# Allegro board meta_module_lay_rev1.brd (continued)
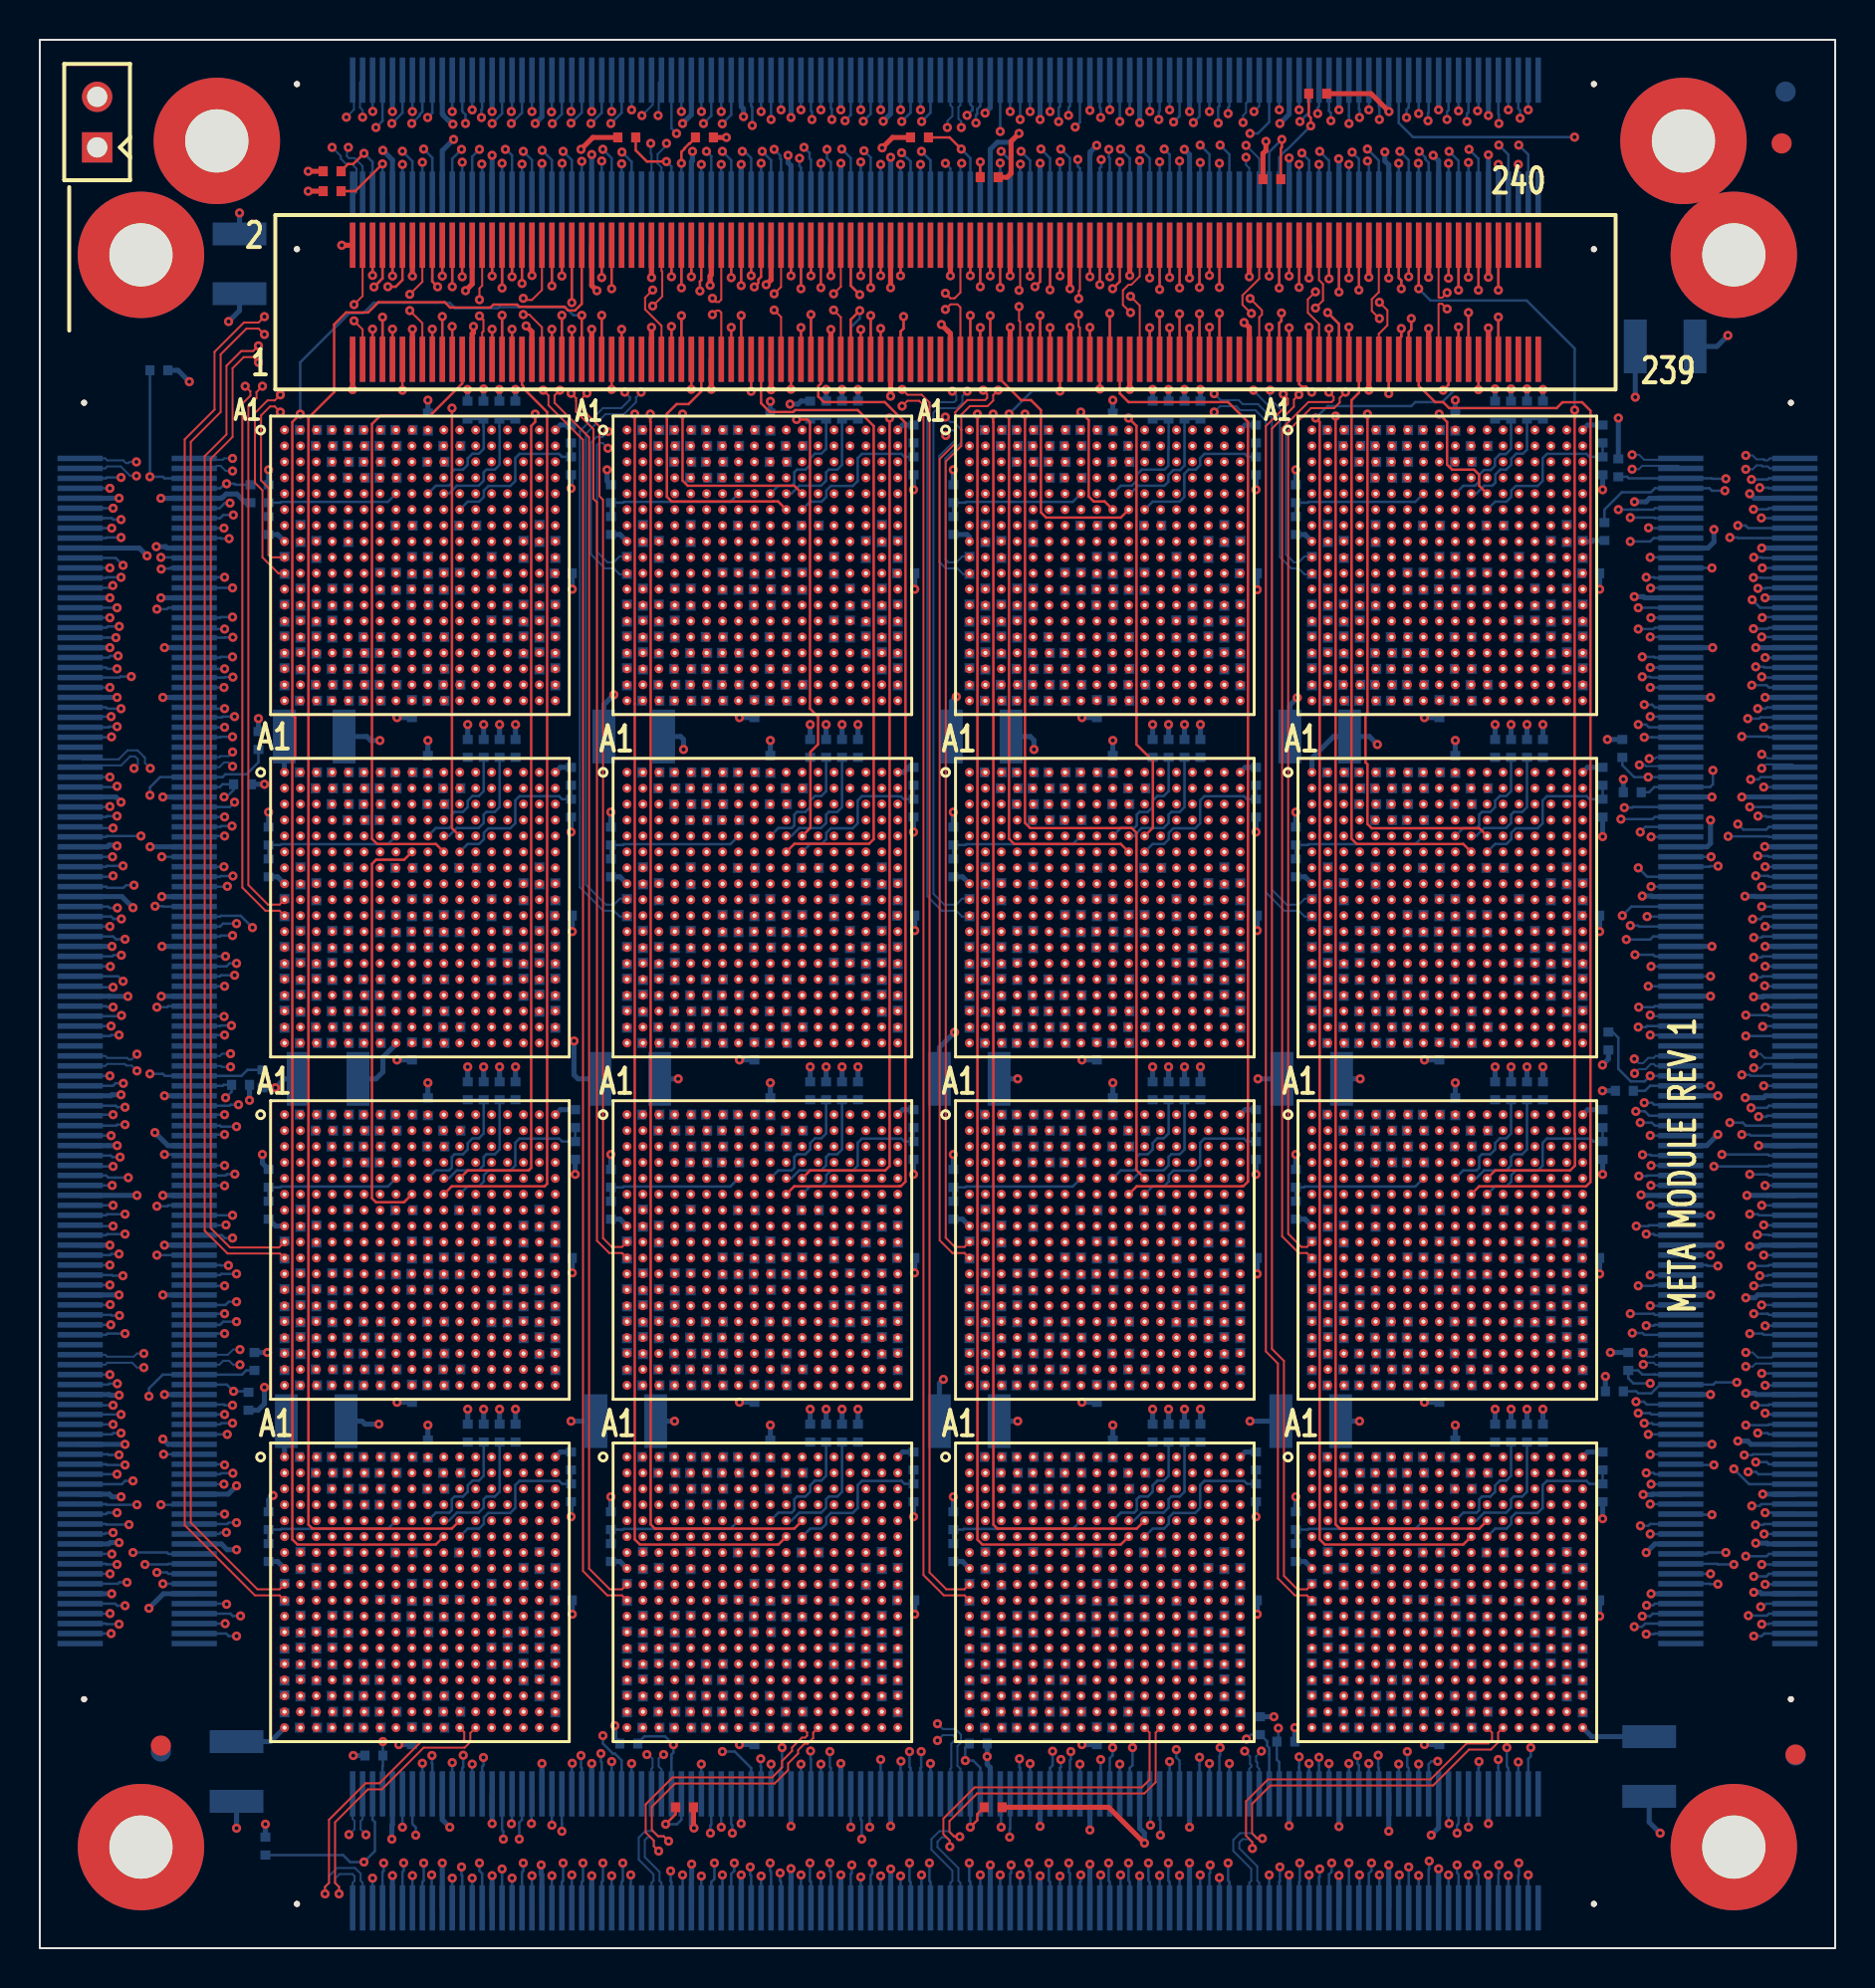
[diagram p0: board, top side]
## Routing (per net, layer and track width the routed paths; a pad name or vN(x,y) marks a point on that pad's centre or on a via; arc(x,y) is an arc through that point)
GND: length 440.7
  TOP w0.254: v1(36.48,83.58) 36.73,83.83 J16.86 ; J16.122 v1(45.73,84.03) ; J16.85 36.73,78.3 v1(36.73,78.3) ; v1(49.18,91.18) 48.78,90.78 48.78,89.17 48.59,88.98 R1039.1 ; J16.157 v1(54.74,78.32) ; J16.133 v1(48.73,81.44) ; J16.193 v1(63.75,81.45) ; J16.61 v1(30.72,81.44) ; v1(33.67,83.55) 33.67,84.01 33.68,84.02 33.68,84.04 33.72,84.09 J16.74 ; v1(60.48,81.68) 60.49,81.68 60.75,81.43 J16.181 ; v1(60.75,83.98) J16.182 ; v1(21.78,81.48) 21.78,81.18 21.72,81.11 21.72,79.83 ; v1(54.74,84.04) J16.158 ; J16.37 24.72,81.22 v1(24.42,81.51) ; J16.146 v1(51.74,83.38) ; v1(21.38,83.28) 21.72,83.61 21.72,85.56 ; v1(67.76,92.28) 66.86,93.18 R1040.1 ; J16.229 v1(72.75,81.41) ; J16.169 v1(57.74,81.38) ; v1(15.16,85.56) J16.2 ; J16.13 v1(18.71,81.35) ; J16.1 v1(15.71,78.31) ; J16.109 v1(42.73,77.98) ; v1(32.85,6.04) 32.83,6.06 R1014.1 ; v1(63.75,83.91) J16.194 ; J16.97 v1(39.73,81.33) ; v1(72.75,83.95) J16.230 ; J16.62 v1(30.72,83.94) ; v1(45.28,81.58) 45.6,81.26 45.73,81.13 J16.121 ; v1(39.73,84.03) J16.98 ; v1(69.75,83.95) J16.218 ; v1(42.73,83.43) J16.110 ; v1(69.75,81.38) J16.217 ; v1(66.75,83.95) J16.206 ; J16.170 v1(57.74,83.92) ; R1037.1 v1(13.48,88.28) ; J16.49 v1(27.72,81.34) ; J16.205 v1(66.75,78.28) ; R1038.1 v1(34.48,90.98) ; J16.73 v1(33.72,78.32) ; v1(48.73,84.02) J16.134 ; v1(27.98,83.28) 27.72,83.54 J16.50 ; J16.14 v1(18.71,84.01) ; J16.145 v1(51.74,81.44) ; v1(24.72,84.04) J16.38
  GND_L2 w0.203: J15.1 3.58,89.78 ; J15.1 2.18,89.78 ; J15.1 2.18,91.18 ; J15.1 3.58,91.18
  GND_L4 w0.203: 2.18,91.18 J15.1 ; J15.1 2.18,89.78 ; J15.1 3.58,89.78 ; J15.1 3.58,91.18
  GND_L11 w0.203: 2.18,91.18 J15.1 ; J15.1 3.58,89.78 ; J15.1 3.58,91.18 ; J15.1 2.18,89.78
  GND_L13 w0.203: J15.1 3.58,91.18 ; J15.1 2.18,89.78 ; J15.1 2.18,91.18 ; J15.1 3.58,89.78
  BOTTOM w0.254: R397.1 v1(58.29,78.32) ; R512.1 29.14,36.63 U9.H1 ; U12.A18 26.14,24.93 R684.1 ; v1(42.73,83.43) J18.132 ; C5.2 11.59,10.38 U12.V1 ; J6.189 v1(6.26,27.82) ; R1029.1 77.99,70.73 77.94,70.68 U5.H18 ; R910.1 v1(58.29,27.08) ; R853.1 v1(58.29,44.28) ; R396.1 v1(56.69,78.32) ; v1(3.99,27.78) 3.53,27.78 3.5,27.82 J6.190 ; J5.29 v1(22.72,6.26) ; J5.150 v1(52.74,4.22) ; U1.A18 43.34,76.53 R57.1 ; R625.1 v1(23.89,44.28) ; J5.170 v1(57.74,4.28) ; R569.1 29.14,19.43 U10.H1 ; R797.1 63.54,19.43 U14.H1 ; v1(10.53,42.6) R1023.1 ; R1032.1 v1(78.63,28.73) ; J6.149 v1(6.18,37.82) ; R739.1 v1(75.49,44.28) ; v1(67.76,92.28) 67.76,92.39 67.75,92.4 J1.32 ; v1(39.73,84.03) J18.144 ; J5.69 32.72,6.17 v1(32.85,6.04) ; J1.172 32.72,92.12 v1(32.28,91.68) ; C7.2 v1(66.31,43.68) ; J18.120 45.73,85.56 v1(45.73,84.03) ; v1(80.53,22.79) 80.98,22.79 81,22.81 J3.31 ; 21.72,85.56 21.72,83.61 v1(21.38,83.28) ; v1(72.75,81.41) J18.11 ; J18.168 33.72,84.09 33.68,84.04 33.68,84.02 33.67,84.01 v1(33.67,83.55) ; v1(42.36,91.79) 42.73,92.16 J1.132 ; R171.1 26.14,76.53 U3.A18 ; R227.1 11.94,53.83 U4.H1 ; J5.129 47.73,9.08 47.58,9.23 v1(47.58,9.63) R1015.1 ; v1(60.75,83.98) 60.75,85.56 J18.60 ; v1(21.78,81.48) 21.78,81.18 21.72,81.11 21.72,79.84 ; U4.A18 26.14,59.33 R228.1 ; J5.189 v1(62.75,6.15) ; J5.30 v1(22.72,3.64) ; v1(52.74,92.34) 52.74,92.42 52.74,92.42 J1.92 ; J6.109 6.13,47.83 6.13,47.83 v1(6.1,47.83) ; v1(36.48,83.58) 36.73,83.83 J18.156 ; v1(79.53,58.73) R1030.1 ; C15.2 v1(66.28,26.48) ; U15.A18 60.54,42.13 R855.1 ; v1(27.72,9.28) J5.49 ; v1(84.28,42.83) J3.111 ; J18.24 69.75,85.56 v1(69.75,83.95) ; J5.230 v1(72.75,3.68) ; U13.A18 77.74,42.13 R741.1 ; J1.171 32.72,89.77 32.78,89.82 v1(32.78,90.28) ; R169.1 23.89,77.74 v1(23.89,78.32) ; U11.H1 11.84,36.28 R626.1 ; J6.229 6.21,17.81 v1(5.48,17.08) ; J3.132 86.56,47.83 86.53,47.8 v1(86.07,47.8) ; U6.A1 63.89,59.79 64.98,60.88 C3.2 66.78,60.88 v1(67.18,60.48) ; R56.1 29.14,71.03 U1.H1 ; U4.V8 17.89,45.43 17.23,44.77 17.23,44.03 16.88,43.68 C13.2 ; v1(72.75,92.08) J1.12 ; v1(80.09,72.67) 80.67,72.67 80.85,72.85 J3.231 ; v1(6.08,72.85) J6.9 9.12,72.85 9.17,72.9 9.2,72.9 9.36,73.07 9.89,73.07 10.33,72.63 R1021.1 ; J6.69 v1(6.18,57.84) ; J6.70 3.82,57.84 v1(4.08,57.58) ; U6.H1 63.54,53.83 R341.1 ; v1(63.75,81.45) 63.75,79.84 J18.47 ; J6.89 v1(6.12,52.84) ; R510.1 v1(39.49,44.28) ; J18.239 J16.1 v1(15.71,78.31) ; U7.H1 46.69,70.9 46.56,71.03 R398.1 ; v1(9.88,23.23) 9.46,22.81 J6.209 ; J3.151 80.98,52.84 80.95,52.86 v1(80.48,52.86) ; v1(85.48,57.84) J3.172 ; J1.111 47.73,90.38 48.09,90.74 48.74,90.74 v1(49.18,91.18) ; U2.A18 43.38,59.08 43.63,59.33 R114.1 ; R456.1 60.54,59.33 U8.A18 ; J3.191 v1(83.91,62.84) ; J6.130 3.57,42.83 3.62,42.88 v1(4.08,42.88) ; J18.167 v1(33.72,78.32) ; R340.1 v1(75.49,61.48) ; J18.35 66.75,79.83 v1(66.75,78.28) ; v1(32.74,4.22) 32.74,3.49 32.72,3.48 J5.70 ; J18.192 27.72,83.54 v1(27.98,83.28) ; R511.1 v1(41.09,44.28) ; R912.1 60.54,24.93 U16.A18 ; C2.2 10.03,82.28 v1(9.48,81.73) ; U12.H1 11.94,19.43 R683.1 ; J3.71 v1(83.91,32.82) ; J5.130 47.73,3.72 47.74,3.72 v1(47.74,4.18) ; J18.83 v1(54.74,78.32) ; R567.1 v1(39.49,27.08) ; R568.1 v1(41.09,27.08) ; R911.1 46.34,19.43 U16.H1 ; v1(85.88,73.08) 85.88,73.08 86.11,72.85 J3.232 ; R453.1 v1(56.69,61.48) ; J3.11 v1(80.92,17.81) ; v1(42.74,3.98) 42.74,3.52 42.73,3.52 J5.110 ; U14.V18 77.94,10.63 C8.2 ; U14.A18 77.74,24.93 R798.1 ; R852.1 v1(56.69,44.28) ; 82.42,67.85 80.6,67.85 80.54,67.91 v1(80.08,67.91) ; R627.1 26.14,42.13 U11.A18 ; v1(37.73,4) 37.73,3.54 37.73,3.54 J5.90 ; U8.H1 46.34,53.83 R455.1 ; U7.A18 60.54,76.53 R399.1 ; J6.230 v1(3.61,17.81) ; v1(57.74,83.92) J18.72 ; R624.1 v1(22.29,44.28) ; R168.1 22.29,77.74 v1(22.29,78.34) ; v1(85.64,52.85) 86.16,52.85 86.18,52.84 J3.152 ; J3.91 80.44,37.82 v1(80.42,37.85) ; J5.229 v1(72.75,6.26) ; v1(36.73,78.3) 36.73,78.3 J16.85 J18.155 ; v1(86.53,22.81) J3.32 ; J3.131 v1(83.91,47.83) ; U9.A18 43.34,42.13 R513.1 ; J1.211 v1(22.72,90.08) ; R682.1 v1(23.89,27.08) ; J1.11 v1(72.75,90.11) ; U15.H1 46.34,36.63 R854.1 ; C1.2 12.28,59.09 U4.A1 ; R225.1 v1(22.29,61.48) ; R55.1 v1(41.09,78.32) ; v1(30.72,83.94) J18.180 ; v1(54.74,84.04) J18.84 ; v1(27.72,92.28) J1.192 ; v1(53.08,90.58) 52.76,90.26 52.76,90.16 52.74,90.14 J1.91 ; v1(48.73,84.02) J18.108 ; v1(85.74,37.82) 86.78,37.82 86.78,37.82 J3.92 ; U10.A18 43.34,24.93 R570.1 ; v1(17.71,92.28) J1.232 ; J1.52 62.75,92.15 v1(62.28,91.68) ; J6.170 v1(3.98,32.82) ; 7.75,67.85 v1(6.08,67.85) ; v1(24.72,84.04) 24.72,85.56 J18.204 ; C6.2 12.29,26.39 U12.A1 ; J18.59 60.75,79.84 60.75,81.43 60.49,81.68 v1(60.48,81.68) ; v1(69.75,81.38) 69.75,79.84 J18.23 ; J5.149 v1(52.74,5.94) ; J18.131 v1(42.73,77.98) ; R1024.1 10.96,27.03 11.28,27.35 v1(11.28,28.18) ; v1(86.65,67.85) 88.14,67.85 ; v1(39.73,81.33) J18.143 ; R112.1 v1(41.09,61.48) ; R454.1 v1(58.29,61.48) ; v1(37.73,91.98) J1.152 ; C12.2 v1(80.13,77.93) ; J6.210 3.49,22.81 3.62,22.68 v1(4.08,22.68) ; J18.119 45.73,79.84 45.73,81.13 v1(45.28,81.58) ; v1(4.42,47.82) 3.49,47.82 3.48,47.83 J6.110 ; v1(72.75,83.95) J18.12 ; U2.H1 29.14,53.83 R113.1 ; v1(51.74,83.38) J18.96 ; J6.10 3.52,72.85 3.52,72.86 v1(3.98,72.86) ; v1(85.65,42.73) 86.58,42.73 86.67,42.83 J3.112 ; v1(49.93,60.23) 49.93,60.69 49.74,60.88 C4.2 ; J5.9 17.71,6.21 17.68,6.18 v1(17.68,5.48) ; R1022.1 v1(11.28,58.48) ; J6.49 v1(6.18,62.84) ; v1(18.71,81.35) J18.227 ; U5.H1 63.54,71.03 R284.1 ; R1016.1 v1(63.03,11.08) ; U6.A18 77.74,59.33 R342.1 ; R285.1 77.74,76.53 U5.A18 ; J1.231 17.71,89.85 v1(17.23,90.33) ; J6.150 v1(4.88,37.82) ; J1.51 v1(62.75,89.95) ; v1(75.49,78.32) R283.1 ; J18.240 J16.2 v1(15.16,85.56) ; J3.52 86.2,27.82 86.14,27.88 v1(85.68,27.88) ; v1(86.08,17.88) 86.4,17.88 86.47,17.81 J3.12 ; v1(32.33,60.23) 32.33,60.73 32.18,60.88 C10.2 ; C16.2 v1(49.11,26.48) ; J1.191 v1(27.72,90.12) ; R738.1 v1(73.89,44.28) ; v1(30.72,81.44) J18.179 ; 2.03,67.85 v1(3.52,67.85) ; R740.1 63.54,36.63 U13.H1 ; v1(18.71,84.01) J18.228 ; R681.1 v1(22.29,27.08) ; C11.2 v1(49.11,43.68) ; J6.90 4.12,52.84 v1(4.68,52.28) ; v1(85.68,32.68) 86.14,32.68 86.28,32.82 J3.72 ; v1(37.58,90.08) 37.58,89.71 37.73,89.56 J1.151 ; v1(47.47,92.2) 47.47,92.22 47.73,92.48 J1.112 ; R170.1 11.94,71.03 U3.H1 ; v1(51.74,81.44) J18.95 ; J5.10 v1(17.71,3.65) ; R226.1 v1(23.89,61.48) ; R796.1 v1(75.49,27.08) ; v1(48.73,81.44) J18.107 ; v1(57.48,90.38) 57.74,90.12 J1.71 ; C9.2 v1(32.06,43.68) ; R111.1 v1(39.49,61.48) ; J5.50 v1(27.72,3.64) ; J5.109 v1(42.73,6.13) ; J18.203 24.72,79.84 24.72,81.22 v1(24.42,81.51) ; J5.190 v1(62.75,3.68) ; v1(67.55,90.25) 67.55,89.79 67.75,89.6 J1.31 ; J18.36 66.75,85.56 v1(66.75,83.95) ; v1(86.65,62.84) J3.192 ; R339.1 v1(73.89,61.48) ; v1(22.72,92.28) J1.212 ; R795.1 v1(73.89,27.08) ; v1(83.91,27.82) J3.51 ; v1(63.75,83.91) 63.75,85.56 J18.48 ; R54.1 v1(39.49,78.32) ; J5.89 v1(37.73,6.13) ; R909.1 v1(56.69,27.08) ; R282.1 v1(73.89,78.34) ; R1031.1 v1(78.48,43.08) ; v1(3.88,62.84) J6.50 ; J5.169 v1(57.74,6.08) ; J5.209 v1(67.75,5.88) ; R1013.1 v1(15.74,9.68) ; J6.169 v1(6.18,32.82) ; C14.2 v1(31.88,26.48) ; J5.210 v1(67.75,4.18) ; v1(27.72,81.34) J18.191 ; J1.131 v1(42.73,89.98) ; v1(83.98,57.84) J3.171 ; v1(6.26,42.83) J6.129 ; v1(57.74,81.38) J18.71 ; v1(57.74,92.28) J1.72
CLK_N0: length 18.1
  TOP w0.102: v1(12.08,77.18) 11.8,77.46 11.56,77.46 11.11,77.01 11.11,73.75 11.48,73.38 11.48,70.01 11.61,69.88 U3.J1 ; J16.3 16.21,81.33 v1(15.78,81.76)
  SIGNAL_L3 w0.081: v1(15.78,81.76) 15.76,81.78 15.45,81.78 15.01,81.34 15.01,79.48 12.98,77.45 12.35,77.45 v1(12.08,77.18)
CLK_N1: length 22.2
  TOP w0.102: v1(30.78,83.31) 30.4,82.93 30.4,82.34 31.22,81.52 J16.63
  SIGNAL_L3 w0.081: v1(28.54,75.36) 28.28,75.62 27.82,75.62 27.55,75.89 27.55,77.15 27.98,77.58 27.98,78.98 29.78,80.78 29.78,81.34 29.78,82.84 30.05,83.11 30.58,83.11 v1(30.78,83.31)
  BOTTOM w0.102: R49.1 29.12,69.93 28.82,69.63 28.51,69.63 27.98,70.16 27.98,75.53 28.09,75.63 28.27,75.63 v1(28.54,75.36)
CLK_N2: length 40.6
  TOP w0.102: v1(11.18,78.48) 10.88,78.18 10.88,77.88 10.47,77.47 10.47,53.42 11.46,52.43 12.04,52.43 U4.J1 ; J16.15 19.21,81.65 v1(18.58,82.28)
  SIGNAL_L3 w0.081: v1(18.58,82.28) 18.39,82.47 16.72,82.47 16.14,83.05 15.73,83.05 11.62,78.94 10.99,78.94 10.91,78.86 10.91,78.75 v1(11.18,78.48)
CLK_N3: length 38.2
  TOP w0.102: v1(33.78,82.08) 33.98,82.28 34.12,82.28 34.22,82.18 J16.75
  SIGNAL_L3 w0.081: v1(30.2,78.18) 29.96,78.43 29.96,78.54 29.96,78.72 33.11,81.88 33.11,82.21 33.25,82.35 33.51,82.35 v1(33.78,82.08)
  BOTTOM w0.102: R106.1 29.13,52.73 28.83,52.43 28.43,52.43 27.43,53.43 27.43,76.1 28.41,77.08 29.34,77.08 29.94,77.68 29.94,77.92 v1(30.2,78.18)
CLK_N4: length 20.3
  TOP w0.102: J16.123 46.23,82.44 46.09,82.59 45.74,82.59 v1(45.48,82.34)
  SIGNAL_L3 w0.081: v1(45.48,82.34) 45.24,82.58 44.89,82.58 44.81,82.5 44.81,76.72 44.89,76.63 45.18,76.63 v1(45.48,76.93)
  BOTTOM w0.102: R391.1 46.33,69.93 46.03,69.63 45.63,69.63 45.48,69.78 45.48,74.85 46.28,75.65 46.28,76.3 45.9,76.68 45.73,76.68 v1(45.48,76.93)
CLK_N5: length 19.3
  TOP w0.102: v1(60.78,82.89) 61.38,82.29 61.38,82.08 61.24,81.94 J16.183
  SIGNAL_L3 w0.081: v1(61.79,78.28) 61.54,78.53 61.54,79.02 61.28,79.28 61.28,81.5 61.79,82.02 61.79,82.41 61.52,82.68 60.99,82.68 v1(60.78,82.89)
  BOTTOM w0.102: v1(61.79,78.28) 61.79,78.18 61.78,78.17 61.78,77.98 61.78,77.86 62.58,77.05 62.58,70.03 62.98,69.63 63.22,69.63 63.52,69.93 R277.1
CLK_N6: length 38.5
  TOP w0.102: v1(49.18,82.48) 49.18,81.78 49.24,81.72 J16.135
  SIGNAL_L3 w0.081: v1(46.58,78.23) 46.36,78.45 46.36,82.19 46.9,82.72 48.94,82.72 v1(49.18,82.48)
  BOTTOM w0.102: v1(46.58,78.23) 46.33,77.98 46.33,77.66 46.05,77.38 45.11,77.38 44.88,77.15 44.88,52.98 45.43,52.43 46.02,52.43 46.32,52.73 R448.1
CLK_N7: length 44.1
  TOP w0.102: J16.195 64.25,81.61 63.69,82.17 63.69,82.84 v1(64.07,83.22)
  SIGNAL_L3 w0.081: v1(64.07,83.22) 63.81,82.97 62.17,82.97 61.53,83.61 60.51,83.61 59.76,82.86 59.76,78.18 59.39,77.81 59.28,77.81 v1(58.98,78.1)
  BOTTOM w0.102: R334.1 63.53,52.73 63.23,52.43 62.63,52.43 61.88,53.18 61.88,76.88 61.18,77.58 60.41,77.58 60.21,77.78 59.3,77.78 v1(58.98,78.1)
CLK_N8: length 66.5
  TOP w0.102: J16.27 22.22,81.18 22.28,81.24 22.28,81.81 v1(22.08,82.01) ; U11.J1 12.02,35.21 9.55,35.21 8.58,36.17 8.58,74.84 9.68,75.93 9.68,79.38 10.24,79.94 10.72,79.94 v1(10.98,79.68)
  SIGNAL_L3 w0.081: v1(10.98,79.68) 11.25,79.95 11.65,79.95 16.28,84.58 18.71,84.58 19.15,84.14 19.15,83.24 19.81,82.58 20.28,82.58 20.61,82.25 21.84,82.25 v1(22.08,82.01)
CLK_N9: length 62.4
  TOP w0.102: v1(27.48,78.13) 27.24,77.88 27.24,77.74 27.24,77.32 28.11,76.45 28.11,72.95 28.28,72.78 28.28,35.68 28.73,35.23 29.24,35.23 U9.J1 ; v1(36.88,82.31) 37.23,81.96 J16.87
  SIGNAL_L3 w0.081: v1(36.88,82.31) 36.64,82.55 34.84,82.55 34.04,83.36 34.04,83.7 33.26,84.48 30.38,84.48 29.42,83.52 29.42,82.22 28.71,81.51 28.71,80.94 27.28,79.51 27.28,78.33 v1(27.48,78.13)
CLK_N10: length 87.5
  TOP w0.102: v1(11.28,81.08) 10.98,81.38 10.38,81.38 9.08,80.08 9.08,77.18 7.58,75.68 7.58,21.38 10.93,18.03 12.04,18.03 U12.J1 ; v1(24.28,82.08) 24.58,82.08 25.22,81.44 J16.39
  SIGNAL_L3 w0.081: v1(11.28,81.08) 11.56,81.36 12.13,81.36 16.05,85.28 20.71,85.28 21.85,84.14 21.85,83.64 22.91,82.58 23.28,82.58 23.61,82.25 24.11,82.25 v1(24.28,82.08)
CLK_N11: length 86.1
  TOP w0.102: v1(39.87,82.31) 40.23,81.94 J16.99 ; v1(26.12,78.28) 25.85,78.01 25.85,77.65 27.58,75.91 27.58,19.08 28.63,18.03 29.24,18.03 U10.J1
  SIGNAL_L3 w0.081: v1(26.12,78.28) 25.86,78.53 25.86,80.26 25.31,80.82 25.31,82.03 28.36,85.08 35.51,85.08 38.04,82.55 39.62,82.55 v1(39.87,82.31)
CLK_N12: length 56
  TOP w0.102: v1(52.17,82.08) 52.17,81.49 52.24,81.42 J16.147 ; U15.J1 46.44,35.23 45.96,35.23 45.5,35.69 45.5,74.7 46.28,75.48 46.28,76.3 46.28,77.05 46.71,77.48 47.6,77.48 47.88,77.76 47.88,78.03 v1(48.13,78.28)
  SIGNAL_L3 w0.081: v1(48.13,78.28) 47.92,78.49 47.92,81.15 48.58,81.81 48.86,81.81 48.89,81.78 49.47,81.78 49.88,82.19 49.88,82.28 50.08,82.48 50.22,82.48 50.88,82.48 51.04,82.32 51.93,82.32 v1(52.17,82.08)
CLK_N13: length 55.2
  TOP w0.102: U13.J1 63.64,35.23 63.36,35.23 62.7,35.89 62.7,76.24 63.84,77.38 65,77.38 65.28,77.66 65.28,77.89 v1(65.58,78.18) ; J16.207 67.25,81.11 67.68,81.54 67.68,82.3 v1(67.28,82.7)
  SIGNAL_L3 w0.081: v1(65.58,78.18) 65.31,78.45 65.31,78.81 68.05,81.55 68.05,82.18 67.77,82.45 67.52,82.45 v1(67.28,82.7)
CLK_N14: length 84.6
  TOP w0.102: v1(54.78,83) 55.24,82.54 J16.159 ; v1(43.31,78.32) 43.58,78.05 44.29,78.05 44.68,77.66 44.68,18.88 45.53,18.03 46.44,18.03 U16.J1
  SIGNAL_L3 w0.081: v1(54.78,83) 54.56,82.78 54.09,82.78 53.96,82.91 53.28,82.91 52.37,83.83 52.37,83.99 51.58,84.78 45.41,84.78 43.85,83.22 43.85,78.16 43.77,78.08 43.55,78.08 v1(43.31,78.32)
CLK_N15: length 76.7
  TOP w0.102: v1(70.68,82.36) 70.42,82.62 70.28,82.62 70.25,82.59 J16.219 ; v1(63.24,78.06) 62.98,77.81 62.98,77.45 61.88,76.35 61.88,30.11 62.48,29.51 62.48,18.71 63.16,18.03 63.64,18.03 U14.J1
  SIGNAL_L3 w0.081: v1(63.24,78.06) 63.01,78.28 63.01,79.01 64.15,80.15 65.44,80.15 66.71,81.42 66.71,82.65 67.15,83.09 67.6,83.09 68.11,82.58 70.46,82.58 v1(70.68,82.36)
CLK_P0: length 20.6
  TOP w0.102: v1(12.08,78.05) 11.8,77.77 11.44,77.77 10.8,77.14 10.8,73.62 11.18,73.25 11.18,69.88 11.98,69.08 U3.K1 ; v1(15.78,82.58) 16.21,83.01 J16.4
  SIGNAL_L3 w0.081: v1(12.08,78.05) 12.35,77.78 12.84,77.78 14.68,79.62 14.68,81.48 v1(15.78,82.58)
CLK_P1: length 21.4
  TOP w0.102: v1(30.78,82.51) 31.26,82.99 31.26,84.24 31.22,84.28 J16.64
  SIGNAL_L3 w0.081: v1(28.54,76.2) 28.28,75.95 27.96,75.95 27.88,76.03 27.88,77.01 28.31,77.44 28.31,78.84 30.11,80.64 30.11,81.34 30.11,82.7 30.19,82.78 30.51,82.78 v1(30.78,82.51)
  BOTTOM w0.102: v1(28.54,76.2) 28.27,75.94 27.96,75.94 27.68,75.66 27.68,70.03 28.38,69.33 28.82,69.33 29.12,69.03 R49.2
CLK_P2: length 41.7
  TOP w0.102: J16.16 19.21,83.73 v1(18.58,83.1) ; v1(10.31,78.48) 10.58,78.22 10.58,78.01 10.17,77.6 10.17,53.29 10.35,53.11 11.33,52.13 12.04,52.13 U4.K1
  SIGNAL_L3 w0.081: v1(10.31,78.48) 10.58,78.75 10.58,79 10.86,79.27 11.48,79.27 15.59,83.38 16.28,83.38 16.86,82.8 18.29,82.8 v1(18.58,83.1)
CLK_P3: length 39.6
  TOP w0.102: v1(33.78,82.9) 33.96,82.71 34.11,82.71 34.22,82.83 J16.76
  SIGNAL_L3 w0.081: v1(29.38,78.18) 29.63,78.43 29.63,78.54 29.63,78.86 32.78,82.01 32.78,82.35 33.11,82.68 33.56,82.68 v1(33.78,82.9)
  BOTTOM w0.102: v1(29.38,78.18) 29.64,77.92 29.64,77.81 29.21,77.38 28.28,77.38 27.12,76.22 27.12,53.31 28.3,52.13 28.83,52.13 29.13,51.83 R106.2
CLK_P4: length 21.1
  TOP w0.102: J16.124 46.23,83.19 45.94,82.9 45.74,82.9 v1(45.48,83.15)
  SIGNAL_L3 w0.081: v1(45.5,76.01) 45.48,76.01 45.18,76.3 44.76,76.3 44.48,76.58 44.48,82.64 44.75,82.91 45.24,82.91 v1(45.48,83.15)
  BOTTOM w0.102: v1(45.5,76.01) 45.76,76.27 45.88,76.27 45.98,76.18 45.98,75.78 45.17,74.97 45.17,69.65 45.5,69.33 46.08,69.33 46.38,69.03 R391.2
CLK_P5: length 20
  TOP w0.102: v1(60.85,82.14) 60.84,82.14 60.4,82.57 60.4,83.04 61.24,83.89 J16.184
  SIGNAL_L3 w0.081: v1(60.95,78.28) 61.21,78.53 61.21,78.89 60.95,79.14 60.95,81.64 61.46,82.15 61.46,82.27 61.38,82.35 61.06,82.35 v1(60.85,82.14)
  BOTTOM w0.102: R277.2 63.52,69.03 63.22,69.33 62.85,69.33 62.28,69.9 62.28,76.93 60.95,78.25 v1(60.95,78.28)
CLK_P6: length 39.2
  TOP w0.102: J16.136 49.24,83.35 v1(49.18,83.3)
  SIGNAL_L3 w0.081: v1(45.83,78.23) 46.03,78.43 46.03,82.32 46.76,83.05 48.94,83.05 v1(49.18,83.3)
  BOTTOM w0.102: v1(45.83,78.23) 46.03,78.03 46.03,77.78 45.93,77.68 44.98,77.68 44.58,77.28 44.58,52.85 45.3,52.13 46.02,52.13 46.32,51.83 R448.2
CLK_P7: length 43.7
  TOP w0.102: v1(64.07,82.41) 64.45,82.79 64.45,83.61 64.25,83.81 J16.196
  SIGNAL_L3 w0.081: v1(58.98,77.18) 59.28,77.48 59.53,77.48 60.09,78.04 60.09,82.73 60.65,83.28 61.39,83.28 62.03,82.64 63.84,82.64 v1(64.07,82.41)
  BOTTOM w0.102: R334.2 63.53,51.83 63.23,52.13 62.5,52.13 61.58,53.05 61.58,76.75 61.05,77.28 60.28,77.28 60.08,77.48 59.27,77.48 v1(58.98,77.18)
CLK_P8: length 68
  TOP w0.102: J16.28 22.22,83.53 22.08,83.4 v1(22.08,82.83) ; v1(10.98,80.51) 10.72,80.25 10.12,80.25 9.38,79.51 9.38,76.06 8.28,74.96 8.28,36.05 9.43,34.9 12.07,34.9 U11.K1
  SIGNAL_L3 w0.081: v1(22.08,82.83) 21.83,82.58 20.75,82.58 20.42,82.91 19.95,82.91 19.48,83.38 19.48,84.28 18.85,84.91 16.14,84.91 11.51,80.28 11.21,80.28 v1(10.98,80.51)
CLK_P9: length 63.5
  TOP w0.102: v1(26.69,78.12) 26.93,77.88 26.93,77.87 26.93,77.74 26.93,77.2 27.8,76.32 27.8,72.82 27.98,72.65 27.98,35.55 28.6,34.93 29.24,34.93 U9.K1 ; J16.88 37.23,83.47 v1(36.88,83.12)
  SIGNAL_L3 w0.081: v1(36.88,83.12) 36.64,82.88 34.98,82.88 34.37,83.49 34.37,83.84 33.4,84.81 30.24,84.81 29.09,83.66 29.09,82.36 28.38,81.65 28.38,81.08 26.95,79.65 26.95,78.39 v1(26.69,78.12)
CLK_P10: length 89.2
  TOP w0.102: J16.40 25.22,83.32 24.71,82.81 24.36,82.81 v1(24.28,82.9) ; U12.K1 12.04,17.73 10.8,17.73 7.28,21.25 7.28,75.81 8.78,77.31 8.78,80.21 10.25,81.68 10.98,81.68 v1(11.28,81.97)
  SIGNAL_L3 w0.081: v1(11.28,81.97) 11.56,81.69 11.99,81.69 15.91,85.61 20.85,85.61 22.18,84.28 22.18,83.78 23.05,82.91 23.42,82.91 23.75,82.58 23.96,82.58 v1(24.28,82.9)
CLK_P11: length 87.2
  TOP w0.102: v1(25.28,78.28) 25.55,78.01 25.55,77.52 27.28,75.79 27.28,18.95 28.5,17.73 29.24,17.73 U10.K1 ; J16.100 40.23,83.49 v1(39.87,83.12)
  SIGNAL_L3 w0.081: v1(39.87,83.12) 39.62,82.88 38.18,82.88 35.65,85.41 28.22,85.41 24.98,82.17 24.98,80.68 25.53,80.13 25.53,78.53 v1(25.28,78.28)
CLK_P12: length 57.4
  TOP w0.102: v1(47.38,78.28) 47.58,78.08 47.58,77.89 47.48,77.78 46.58,77.78 45.98,77.18 45.98,76.17 45.98,75.61 45.19,74.83 45.19,35.57 45.83,34.93 46.44,34.93 U15.K1 ; J16.148 52.24,83.32 52.18,83.26 v1(52.18,82.88)
  SIGNAL_L3 w0.081: v1(47.38,78.28) 47.59,78.49 47.59,81.28 48.44,82.14 49,82.14 49.03,82.11 49.33,82.11 49.55,82.33 49.55,82.42 49.94,82.81 50.35,82.81 51.02,82.81 51.17,82.65 51.95,82.65 v1(52.18,82.88)
CLK_P13: length 55.9
  TOP w0.102: v1(64.74,78.18) 64.98,77.94 64.98,77.79 64.88,77.68 63.71,77.68 62.39,76.36 62.39,35.77 63.23,34.93 63.64,34.93 U13.K1 ; v1(67.28,81.88) 66.9,82.26 66.9,82.85 67.25,83.2 J16.208
  SIGNAL_L3 w0.081: v1(64.74,78.18) 64.98,78.42 64.98,78.95 67.72,81.69 67.72,82.04 67.64,82.12 67.52,82.12 v1(67.28,81.88)
CLK_P14: length 85.2
  TOP w0.102: J16.160 55.24,84 54.82,83.58 54.68,83.58 54.4,83.3 54.4,82.56 v1(54.78,82.18) ; v1(43.31,77.48) 43.58,77.75 44.16,77.75 44.38,77.53 44.38,18.75 45.4,17.73 46.44,17.73 U16.K1
  SIGNAL_L3 w0.081: v1(54.78,82.18) 54.51,82.45 53.95,82.45 53.82,82.58 53.15,82.58 52.05,83.68 52.04,83.69 52.04,83.86 51.44,84.45 45.55,84.45 44.18,83.08 44.18,78.02 43.91,77.75 43.58,77.75 v1(43.31,77.48)
CLK_P15: length 77.6
  TOP w0.102: v1(62.45,78.08) 62.68,77.85 62.68,77.58 61.58,76.48 61.58,29.98 62.18,29.38 62.18,18.58 63.03,17.73 63.64,17.73 U14.K1 ; v1(70.68,83.18) 70.42,82.92 70.28,82.92 70.25,82.95 J16.220
  SIGNAL_L3 w0.081: v1(62.45,78.08) 62.68,78.31 62.68,79.15 64.01,80.48 65.3,80.48 66.38,81.56 66.38,82.79 67.01,83.42 67.74,83.42 68.25,82.91 70.41,82.91 v1(70.68,83.18)
COLID0_SNOW4-1_TILE-1: length 6.7
  BOTTOM w0.127: R107.1 R111.2 39.49,58.13 39.25,57.89 38.93,57.89 38.69,57.65 38.69,57.33 38.45,57.09 38.03,57.09 37.89,56.95 37.89,56.41 37.76,56.28 37.09,56.28 U2.E10
COLID0_SNOW4-1_TILE-2: length 6.5
  BOTTOM w0.127: U1.E10 37.09,73.48 37.76,73.48 37.89,73.61 37.89,74.15 38.03,74.29 38.45,74.29 38.69,74.53 38.69,74.85 38.93,75.09 39.25,75.09 39.49,75.33 R54.2 R50.1
COLID0_SNOW4-1_TILE-3: length 6.5
  BOTTOM w0.127: U3.E10 19.89,73.48 20.56,73.48 20.69,73.61 20.69,74.15 20.83,74.29 21.25,74.29 21.49,74.53 21.49,74.85 21.73,75.09 22.05,75.09 22.29,75.33 22.29,76.43 22.28,76.44 R168.2 R164.1
COLID0_SNOW4-1_TILE-4: length 6.7
  BOTTOM w0.127: U4.E10 19.89,56.28 20.56,56.28 20.69,56.41 20.69,56.95 20.83,57.09 21.25,57.09 21.49,57.33 21.49,57.65 21.73,57.89 22.05,57.89 22.29,58.13 R225.2 R221.1
COLID0_SNOW4-2_TILE-1: length 6.7
  BOTTOM w0.127: R335.1 R339.2 73.89,58.13 73.65,57.89 73.33,57.89 73.09,57.65 73.09,57.33 72.85,57.09 72.43,57.09 72.29,56.95 72.29,56.41 72.16,56.28 71.49,56.28 U6.E10
COLID0_SNOW4-2_TILE-2: length 6.4
  BOTTOM w0.127: R278.1 R282.2 73.89,75.33 73.63,75.07 73.33,75.07 73.08,74.82 73.08,74.48 72.87,74.27 72.53,74.27 72.28,74.02 72.28,73.68 72.08,73.48 71.49,73.48 U5.E10
COLID0_SNOW4-2_TILE-3: length 6.7
  BOTTOM w0.127: R392.1 R396.2 56.69,75.33 56.68,75.32 56.68,74.48 56.49,74.29 55.35,74.29 55.1,74.04 55.1,73.74 54.84,73.48 54.29,73.48 U7.E10
COLID0_SNOW4-2_TILE-4: length 6.7
  BOTTOM w0.127: R449.1 R453.2 56.69,58.13 56.45,57.89 56.13,57.89 55.89,57.65 55.89,57.33 55.65,57.09 55.23,57.09 55.09,56.95 55.09,56.41 54.96,56.28 54.29,56.28 U8.E10
COLID0_SNOW4-3_TILE-1: length 6.7
  BOTTOM w0.127: R563.1 R567.2 39.49,23.73 39.25,23.49 38.93,23.49 38.69,23.25 38.69,22.93 38.45,22.69 38.03,22.69 37.89,22.55 37.89,22.01 37.76,21.88 37.09,21.88 U10.E10
COLID0_SNOW4-3_TILE-2: length 6.7
  BOTTOM w0.127: R506.1 R510.2 39.49,40.93 39.25,40.69 38.93,40.69 38.69,40.45 38.69,40.13 38.45,39.89 38.03,39.89 37.89,39.75 37.89,39.21 37.76,39.08 37.09,39.08 U9.E10
COLID0_SNOW4-3_TILE-3: length 6.7
  BOTTOM w0.127: U11.E10 19.89,39.08 20.56,39.08 20.69,39.21 20.69,39.75 20.83,39.89 21.25,39.89 21.49,40.13 21.49,40.45 21.73,40.69 22.05,40.69 22.29,40.93 R624.2 R620.1
COLID0_SNOW4-3_TILE-4: length 6.7
  BOTTOM w0.127: U12.E10 19.89,21.88 20.56,21.88 20.69,22.01 20.69,22.55 20.83,22.69 21.25,22.69 21.49,22.93 21.49,23.25 21.73,23.49 22.05,23.49 22.29,23.73 R681.2 R677.1
COLID0_SNOW4-4_TILE-1: length 6.7
  BOTTOM w0.127: U14.E10 71.49,21.88 72.16,21.88 72.29,22.01 72.29,22.55 72.43,22.69 72.85,22.69 73.09,22.93 73.09,23.25 73.33,23.49 73.65,23.49 73.89,23.73 R795.2 R791.1
COLID0_SNOW4-4_TILE-2: length 6.7
  BOTTOM w0.127: R734.1 R738.2 73.89,40.93 73.65,40.69 73.33,40.69 73.09,40.45 73.09,40.13 72.85,39.89 72.43,39.89 72.29,39.75 72.29,39.21 72.16,39.08 71.49,39.08 U13.E10
COLID0_SNOW4-4_TILE-3: length 6.7
  BOTTOM w0.127: U15.E10 54.29,39.08 54.96,39.08 55.09,39.21 55.09,39.75 55.23,39.89 55.65,39.89 55.89,40.13 55.89,40.45 56.13,40.69 56.45,40.69 56.69,40.93 R852.2 R848.1
COLID0_SNOW4-4_TILE-4: length 6.7
  BOTTOM w0.127: R905.1 R909.2 56.69,23.73 56.45,23.49 56.13,23.49 55.89,23.25 55.89,22.93 55.65,22.69 55.23,22.69 55.09,22.55 55.09,22.01 54.96,21.88 54.29,21.88 U16.E10
COLID1_SNOW4-1_TILE-1: length 6.9
  BOTTOM w0.127: U2.E11 37.74,55.88 38.14,56.28 39.24,56.28 39.49,56.53 39.49,56.95 39.63,57.09 40.05,57.09 40.29,57.33 R108.1 R112.2
COLID1_SNOW4-1_TILE-2: length 6.7
  BOTTOM w0.127: R55.2 R51.1 40.29,74.53 40.05,74.29 39.63,74.29 39.49,74.15 39.49,73.73 39.24,73.48 38.14,73.48 37.74,73.08 U1.E11
COLID1_SNOW4-1_TILE-3: length 6.8
  BOTTOM w0.127: R169.2 R165.1 23.08,76.44 23.09,76.43 23.09,74.53 22.85,74.29 22.43,74.29 22.29,74.15 22.29,73.73 22.04,73.48 20.94,73.48 20.54,73.08 U3.E11
COLID1_SNOW4-1_TILE-4: length 6.9
  BOTTOM w0.127: R226.2 R222.1 23.09,57.33 22.85,57.09 22.43,57.09 22.29,56.95 22.29,56.53 22.04,56.28 20.94,56.28 20.54,55.88 U4.E11
COLID1_SNOW4-2_TILE-1: length 6.9
  BOTTOM w0.127: R340.2 R336.1 74.69,57.33 74.45,57.09 74.03,57.09 73.89,56.95 73.89,56.53 73.64,56.28 72.54,56.28 72.14,55.88 U6.E11
COLID1_SNOW4-2_TILE-2: length 6.5
  BOTTOM w0.127: R283.2 R279.1 74.69,75.29 74.49,75.09 74.15,75.09 73.9,74.84 73.9,74.54 73.65,74.29 73.35,74.29 73.1,74.04 73.1,73.63 72.95,73.48 72.54,73.48 72.14,73.08 U5.E11
COLID1_SNOW4-2_TILE-3: length 6.7
  BOTTOM w0.127: U7.E11 54.76,73.08 55.16,73.48 56.48,73.48 56.68,73.68 56.68,74.02 56.93,74.27 57.27,74.27 57.49,74.49 R393.1 R397.2
COLID1_SNOW4-2_TILE-4: length 6.9
  BOTTOM w0.127: R454.2 R450.1 57.49,57.33 57.25,57.09 56.83,57.09 56.69,56.95 56.69,56.53 56.44,56.28 55.34,56.28 54.94,55.88 U8.E11
